# Altium PCB Control_v1.1.PcbDoc (part 2 of 2)
Units mil, origin at the board's own origin, x right, y up, seen from the top; angles counter-clockwise.
Board outline 2293.03 x 2083.97 mil, 2 copper layers (Top Layer, Bottom Layer); 102 components, 64 nets, 304 pads, 135 vias.
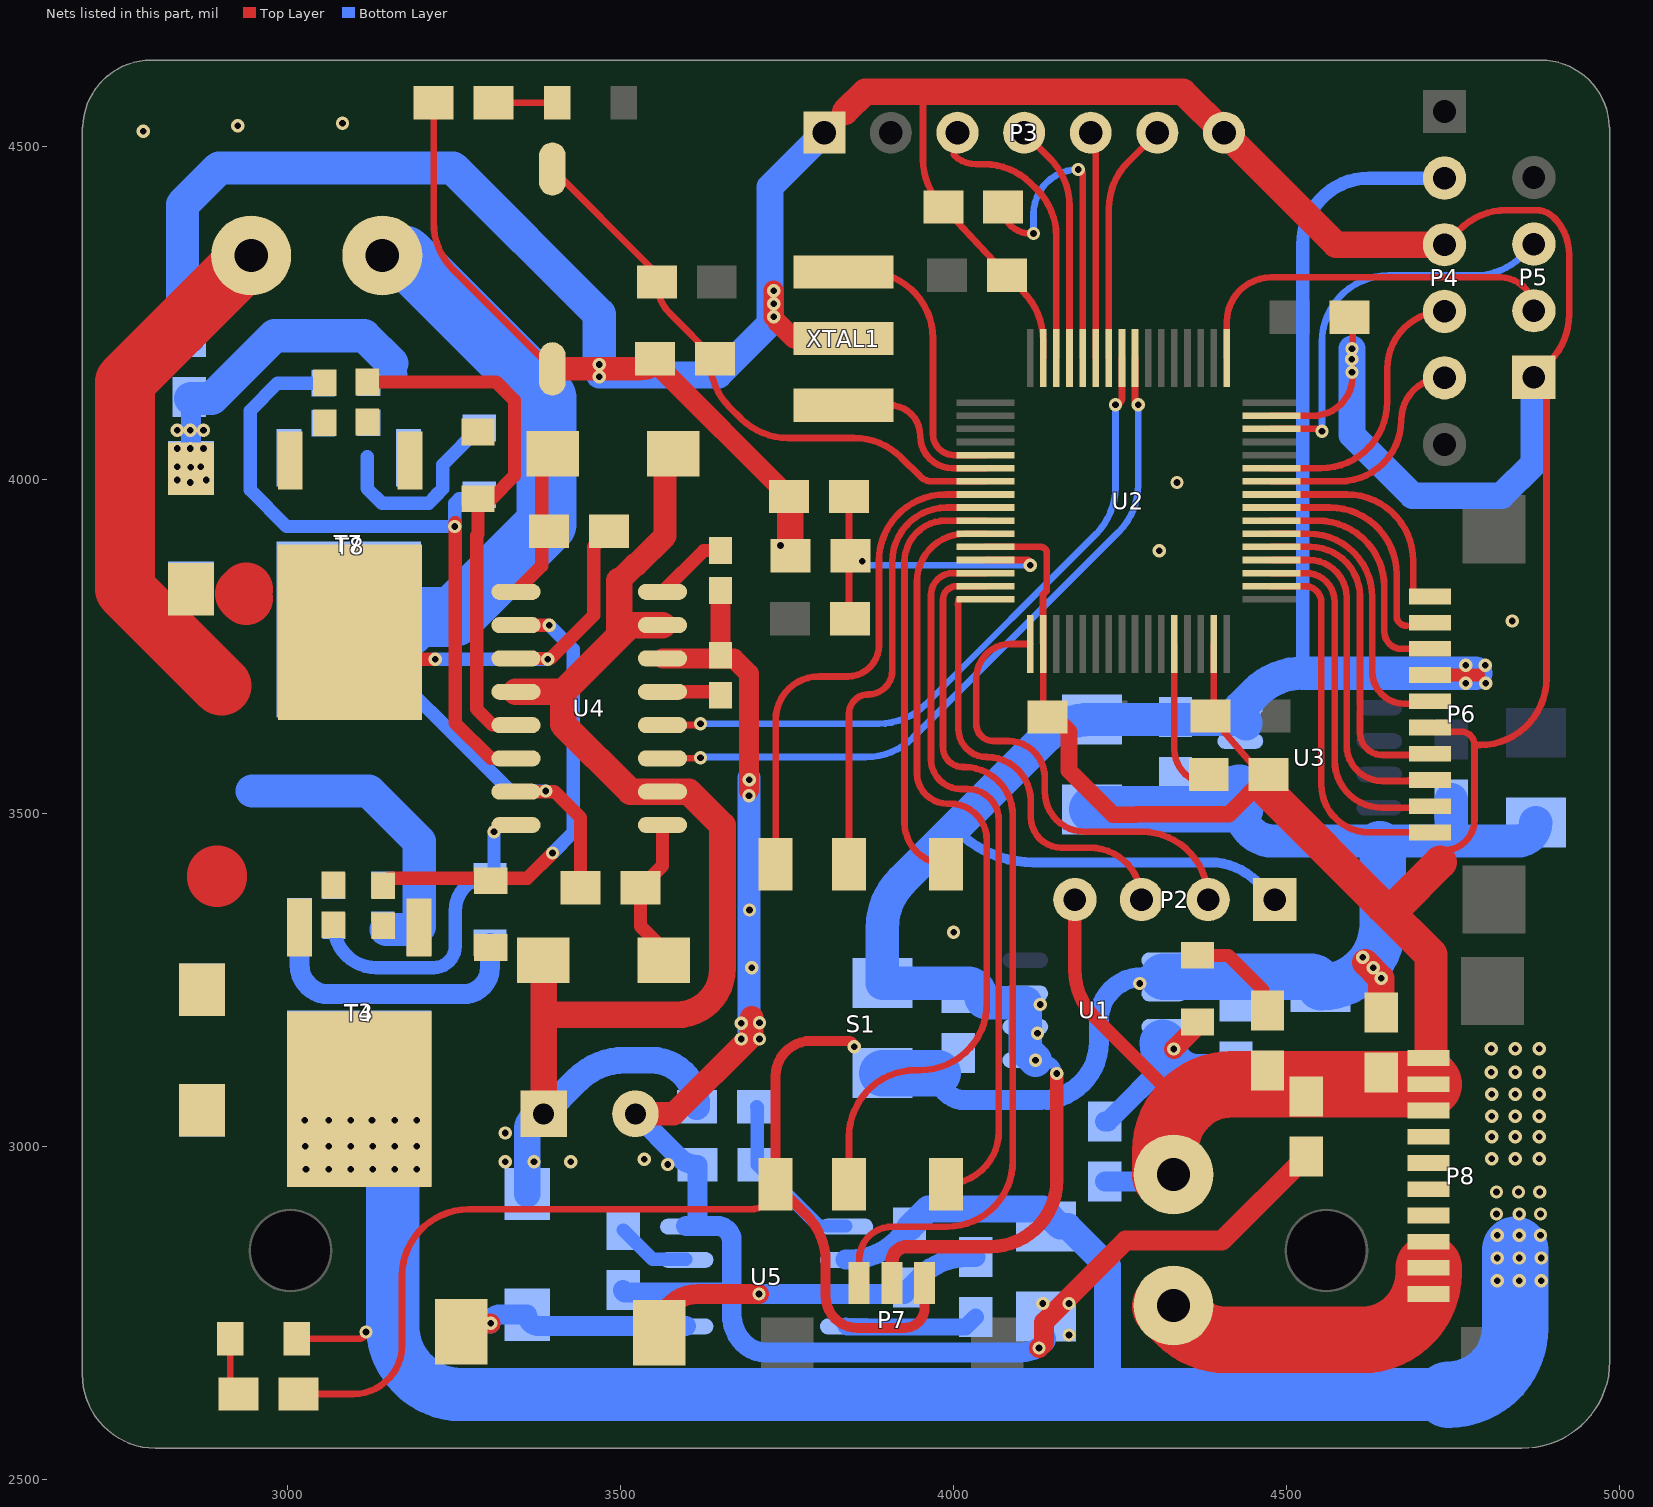
[diagram p2: the nets of this part, all layers, seen from the top]

## Via types
v1: diameter 20, hole 10, Top Layer to Bottom Layer, 133 vias
v2: diameter 35.43, hole 35.43, Top Layer to Bottom Layer, 2 vias

## Nets (pads, with @x,y where several pads share a name; then routed paths per layer and width w, separated by ;. In a path a pad name is that pad's centre, name@x,y a point inside that pad or via, vN(x,y) a via of type N, cw(c..) or ccw(c..) an arc to the next point about the centre after c; other vN are vias at no path point) (continued)
5V: C2.1 C4.2 C11.1 C13.2 P2.1 P4.2 P6.7 P7.2 U1.5 U1.6 U1.7 U3.3 U3.4 | length 3517.1
  Top Layer w15: P7.2@3907.46,2794.57 3907.46,2826.46
  Top Layer w20: 3907.46,2826.46 cw(c3930,2826.46) 3930,2849 4055,2849 ccw(c4055,2949) 4155,2949 v1(4155,3109) ; P6.7@4715.02,3707.05 4788.05,3707.05
  Bottom Layer w15: 4006,3473 ccw(c4119.47,3586.47) 4119.47,3426 4384.7,3426 cw(c4384.7,3326) 4455.41,3396.71 P2.1@4482.07,3370.05 ; v1(4123,3129) 4135,3129 cw(c4135,3109) v1(4155,3109)
  Bottom Layer w20: 4523.97,3710 4523.97,4353.07 cw(c4623.97,4353.07) 4623.97,4453.07 P4.2@4736.95,4453.07
  Bottom Layer w50: v1(4123,3129) 4107.67,3144.33 U1.6@4107.67,3179 4107.67,3215 4050,3215 cw(c4050,3224) 4041,3224 ccw(c4020.5,3224) 4020.5,3244.5 C2.1@3893,3244.5 3893,3327.58 cw(c3993,3327.58) 3922.29,3398.29 4135.21,3611.21 cw(c4205.92,3540.5) C11.1@4205.92,3640.5 ; C11.1@4208,3640.5 4432.5,3640.5 cw(c4432.5,3634) 4439,3634 ; U3.4@4430.48,3657.94 4453.25,3680.71 cw(c4523.97,3610) 4523.97,3710 4784,3710
  other v1: 4125.98,3169.29 4129.92,3212.6 4769,3695 4799,3695 4769,3722 4798,3722
12V: C16.1 D5.2 D6.1 D7.1 R15.2 U4.2 U4.7 U4.12 | length 2085.6
  Top Layer w35: 3498,3848.57 3521.93,3872.5 3523.56,3872.5 3566.93,3915.87 D7.1@3566.93,4023.62
  Top Layer w40: U4.12@3343,3682 3414,3682 ; D6.1@3384,3279 cw(c3382.56,3277.56) 3384.6,3277.56 3384.6,3197 ; C16.1@3384.6,3048.53 3384.6,3197 ; 3498,3848.57 3498,3769.72 3499.86,3767.86 ; U4.7@3563,3782 3514,3782 3499.86,3767.86 ; 3384.6,3197 3584,3197 ccw(c3584,3266) 3653,3266 3653,3481.36 3602.36,3532 U4.2@3563,3532 3515,3532 3414,3633 3414,3682 ; 3414,3682 3499.86,3767.86
  Bottom Layer w40: D5.2@3360,2928.1 3360,3023.93 cw(c3384.6,3023.93) C16.1@3384.6,3048.53 3435.78,3099.71 cw(c3506.49,3029) 3506.49,3129 3545.99,3129 cw(c3545.99,3061.38) 3593.81,3109.19 cw(c3543.82,3059.2) R15.2@3614.51,3059.2
  other v1: 3326.77,2976.38 3370.08,2976.38 3425.2,2976.38 3326.77,3019.68
AGND: C1.2 C2.2 C3.1 C4.1 C11.2 C12.2 C13.1 C14.1 P7.3 R16.2 R23.1 S1.6 U1.1 U1.2 U3.1 U3.2 | length 3659.7
  Top Layer w10: R23.1@3016.51,2627.8 3098.8,2627.8 ccw(c3098.8,2701) 3172,2701 3172,2805 cw(c3272,2805) 3272,2905 3694.9,2905 ccw(c3694.9,2942.94) S1.6@3732.85,2942.94
  Top Layer w15: v1(3851,3149) ccw(c3842,3149) 3842,3158 3786,3158 ccw(c3786,3104.85) 3732.85,3104.85 S1.6@3732.85,2942.94 3778.71,2897.08 cw(c3708,2826.37) 3808,2826.37 3808,2775 ccw(c3856,2775) 3856,2727 3926,2727 ccw(c3926,2757.67) 3956.67,2757.67 P7.3@3956.67,2794.57
  Top Layer w40: v1@4618.11,3275.59 v1(4641.8,3251.91) R16.2@4641.8,3200.49
  Bottom Layer w15: v1(3851,3149) v1@3853.5,3149
  Bottom Layer w30: 3976.5,3109.5 ccw(c4017,3109.5) 4017,3069 4131,3069 ccw(c4131,3156) 4218,3156 4218,3188 cw(c4284,3188) 4284,3254 4315,3254
  Bottom Layer w50: U3.1@4430.48,3507.94 ccw(c4480.42,3507.94) 4480.42,3458 4757,3458 ; C14.1@4747,3520 4747,3468 ccw(c4757,3468) 4757,3458 ; C12.2@4874,3485.5 cw(c4846.5,3485.5) 4846.5,3458 4757,3458
  Bottom Layer w70: C2.2@3893,3109.5 3976.5,3109.5 ; C11.2@4208,3505.5 4428.04,3505.5 ccw(c4428.04,3507.94) U3.1@4430.48,3507.94 4430.48,3535.52 ccw(c4428,3535.52) 4428,3538 ; 4315,3254 4535.5,3254 cw(c4535.5,3238.5) C1.2@4551,3238.5 ccw(c4551,3331.5) 4644,3331.5 4644,3448.13 ccw(c4639,3448.13) 4639,3453.13
  other v1: 4279.53,3244.09 4629.92,3267.72 4614.17,3283.46 4000,3321.18
AHB: C19.1 D7.2 U4.9 | length 228.1
  Top Layer w20: U4.9@3343,3832 3381.9,3870.9 D7.2@3381.9,4044
AHO: R2.1 T2.2 U4.10 | length 695.8
  Top Layer w20: R2.1@3144,3391 cw(c3155.05,3391) 3155.05,3402.05 3307,3402.05 3360.05,3402.05 v1(3398,3440) ; U4.10@3343,3782 v1(3393,3782)
  Bottom Layer w20: v1(3393,3782) 3429,3746 3429,3471 v1(3398,3440)
AHS: C19.2 D2.1 D4.2 P1.2 R4.1 T4.3 T8.2 U4.11 | length 1345.6
  Top Layer w20: T8.2@3134.35,3731 v1(3222,3731) ; U4.11@3343,3732 3395,3732 3460,3797 3460,3900 C19.2@3483,3923
  Top Layer w80: 2938,3822 2931,3829 2938,3836
  Top Layer w90: 2894,3404 2894,3406 ; 2901,3691 2755.91,3836.09 2755.91,4147.33 P1.2@2945.57,4337
  Bottom Layer w20: v1@3219,3731 v1(3222,3731) v1(3391,3731)
ALO: R7.1 T6.2 U4.13 | length 803.6
  Top Layer w15: T6.2@3284,3971.95 cw(c3285.05,3971.95) 3285.05,3973 T6.2@3286,3973
  Top Layer w20: R7.1@3120,4147 3313.16,4147 3340.78,4119.38 3340.78,4006.13 3306.6,3971.95 T6.2@3286,3971.95 ; T6.2@3284,3971.95 3286,3969.95 3286,3918.4 3284,3916.4 3284,3656 3308,3632 U4.13@3343,3632
BHB: C15.2 D6.2 U4.1 | length 239.3
  Top Layer w20: U4.1@3563,3482 3563,3421 C15.2@3530,3388 3530,3330.1 D6.2@3582.1,3278
BHO: R1.1 T1.2 U4.16 | length 441.4
  Bottom Layer w20: R1.1@3070,3331 ccw(c3133.08,3331) 3133.08,3267.92 3219.92,3267.92 ccw(c3219.92,3300) 3252,3300 3252,3353.05 cw(c3304,3353.05) T1.2@3304,3405.05 ccw(c3304,3411.05) 3310,3411.05 v1(3310,3472)
BHS: C15.1 D1.1 D3.2 P1.1 R3.1 T3.3 T7.2 U4.15 | length 1954.7
  Top Layer w20: U4.15@3343,3532 3401,3532 3440,3493 C15.1@3440,3388
  Bottom Layer w20: T7.2@3092,3775.35 3334.35,3533 v1(3388,3533)
  Bottom Layer w50: D1.1@2872,3235 D1.1@2872,3236.24 ; 2947,3533 3122,3533 3197.76,3457.24 T3.3@3197.76,3329.23 ; R3.1@3148.17,3325 T3.3@3190,3325
  Bottom Layer w90: T7.2@3092,3775.35 3174.26,3775.35 3192.9,3794 3249,3794 3389,3934 3389,4123 3175,4337 P1.1@3142.43,4337
BLO: R6.1 T5.2 U4.14 | length 1058.1
  Top Layer w20: v1@3252,3935.5 3252,3635 3305,3582 U4.14@3343,3582
  Bottom Layer w20: R6.1@3054,4145 2985,4145 2944,4104 2944,3985 2999,3930 v1(3251,3930) 3251,3965 3258,3972 T5.2@3282,3972
BOOT0: R20.1 U2.60 | length 489.3
  Top Layer w10: R20.1@4074.51,4409.8 ccw(c4114.31,4409.8) 4114.31,4370 v1(4120,4370) ; v1(4187,4466) cw(c4187,4459.33) 4193.67,4459.33 U2.60@4193.67,4182.93
  Bottom Layer w10: v1(4120,4370) 4120,4399 cw(c4187,4399) v1(4187,4466)
BOOT1: R21.2 U2.28 | length 238.1
  Top Layer w10: U2.28@4331.46,3753.8 4331.46,3595.84 ccw(c4382.51,3595.84) R21.2@4382.51,3544.8
GND: 1.2 C5.2 C6.2 C7.1 C8.1 C9.1 C10.1 C20.2 P2.4 P3.1 P3.7 P4.3 P5.1 P6.5 P8.8 P8.9 P8.10 P9.1 R16.1 R17.1 R18.1 R20.2 R21.1 R22.1 R24.1 U2.12 U2.18 U2.31 U2.47 U2.63 XTAL1.3 复位按键1.2 | length 9298.7
  Top Layer w10: R22.1@3219.49,4566.2 3219.49,4386.44 ccw(c3319.49,4386.44) 3248.78,4315.73 复位按键1.2@3397.8,4166.71 ; C5.2@3753,3975 3753,3890.83 ccw(c3759.83,3890.83) C6.2@3755,3886 ; P3.1@3805.88,4521.23 3837.36,4552.71 cw(c3908.07,4482) 3908.07,4582 3954,4582 3954,4481.73 ccw(c4054,4481.73) R20.2@3983.29,4411.02 ; R20.2@3984.51,4409.8 C10.1@4080,4307.2 ; U2.12@4048,3899.46 4130.54,3899.46 cw(c4130.54,3890) 4140,3890 4140,3833.82 4134.32,3828.13 U2.18@4134.32,3755.48 ; C10.1@4103.6,4283.6 cw(c4028.73,4208.73) 4134.61,4208.73 U2.63@4134.61,4182.93 ; U2.18@4134.61,3753.8 4134.61,3650.39 ccw(c4141,3650.39) C7.1@4141,3644 cw(c4141,3619) C7.1@4159.57,3635.74 ; U2.31@4390.52,3753.8 4390.52,3650.52 cw(c4385.52,3650.52) C8.1@4385.52,3645.52 4466.27,3552.02 R21.1@4466.7,3551.53 ; U2.47@4477.13,4096.31 4539.31,4096.31 ccw(c4539.31,4156) 4599,4156 4599,4239 ccw(c4594,4239) C9.1@4594,4244 ; P6.5@4715.02,3628.31 ccw(c4721.34,3628.31) 4721.34,3622 4762,3622 cw(c4762,3602) 4782,3602 ; 4735.98,3444 ccw(c4735.98,3490.02) 4782,3490.02 4782,3602 ; P4.3@4736.95,4353.07 4759.59,4375.71 cw(c4830.3,4305) 4830.3,4405 4874.44,4405 cw(c4874.44,4367.44) 4901,4394 cw(c4845.47,4338.47) 4924,4338.47 4924,4248.3 cw(c4824,4248.3) 4894.71,4177.59 P5.1@4871.05,4153.93 cw(c4871.05,4134.98) 4890,4134.98 4890,3702 cw(c4790,3702) 4790,3602 4782,3602
  Top Layer w20: P2.4@4182.07,3370.05 4182.07,3264.59 ccw(c4282.07,3264.59) 4211.36,3193.88 4344.56,3060.67
  Top Layer w25: C7.1@4159.57,3635.74 4173.23,3622.08 4173.23,3563.64 4239.37,3497.5 4273.6,3497.5 4274.21,3498.11 4413.27,3498.11 4466.7,3551.53 R21.1@4473.02,3557.85
  Top Layer w30: 1.2@3556,4178 3556,4172 C5.2@3753,3975 ; v1(3730,4244.75) v1(3730,4284.12) ; 3736,4236.45 3760.2,4212.24 XTAL1.3@3834.64,4212.24 ; C5.2@3755,3973 C5.2@3755,3975
  Top Layer w35: 复位按键1.2@3397.8,4166.71 3528.74,4166.71 ccw(c3528.74,4205.26) 1.2@3556,4178
  Top Layer w40: C6.2@3755,3886 C5.2@3755,3973 ; P3.1@3837.36,4552.71 3867.33,4582.68 4344.43,4582.68 P3.7@4405.88,4521.23 4574.04,4353.07 P4.3@4736.95,4353.07
  Top Layer w50: 4472.51,3531.43 4643.7,3360.24 ; P8.9@4713.02,3092.79 P8.10@4713.02,3132.16 4716.54,3135.68 4716.54,3287.4 4643.7,3360.24 ; 4730.76,3426.02 4664.97,3360.24 4643.7,3360.24
  Top Layer w100: P9.1@4318,2956.43 4318,2992.79 cw(c4418,2992.79) 4344.56,3060.67 cw(c4418,2992.79) 4418,3092.79 P8.9@4713.02,3092.79
  Bottom Layer w10: 3730,4229 v1(3730,4244.75) v1@3730,4246.4
  Bottom Layer w30: C20.2@4227,2947 P9.1@4319.57,2947
  Bottom Layer w40: v1@3468,4157.48 3647.3,4157.48 3724.41,4234.59 ; v1@3724.41,4246.4 3724.41,4439.76 P3.1@3805.88,4521.23 ; v1(4598,4197) 4598,4067.35 4688.98,3976.38 4822.83,3976.38 4871.05,4024.59 P5.1@4871.05,4153.93
  Bottom Layer w50: R17.1@2852.8,4214.51 2842.52,4224.79 2842.52,4413.39 2897.24,4468.1 3248.43,4468.1 3468,4248.54 v1(3468,4173.23)
  other v1: 4838.58,3788.12 4308.74,3893.7 3740.16,3901.57 4335.47,3996.06 3468,4155.13 4598,4161.42 4597.57,4181.25 3730,4264.43 2783.46,4523.62 2925.2,4531.5 3082.68,4535.43
IN_6V: P8.1 P8.2 P8.3 P9.2 | length 477
  Top Layer w100: P9.2@4318,2759.57 4339.28,2738.29 ccw(c4409.99,2809) 4409.99,2709 4613.02,2709 ccw(c4613.02,2809) 4713.02,2809 P8.2@4713.02,2817.2
K1: S1.1 U2.10 | length 646.3
  Top Layer w10: S1.1@3988.75,3423.26 cw(c3988.75,3485.65) 3926.36,3485.65 3926.36,3877 cw(c3988.2,3877) 3988.2,3938.83 U2.10@4048,3938.83
K2: S1.5 U2.11 | length 1231
  Top Layer w10: S1.5@3843.08,2942.94 3843.08,3014 cw(c3943.08,3014) 3943.08,3114 3950,3114 ccw(c3950,3214) 4050,3214 4050,3459 ccw(c3995,3459) 3995,3514 3991,3514 cw(c3991,3560) 3945,3560 3945,3847 cw(c4017.15,3847) 4017.15,3919.15 U2.11@4048,3919.15
K3: S1.4 U2.14 | length 1092.7
  Top Layer w10: S1.4@3988.75,2942.94 ccw(c3988.75,3022.19) 4068,3022.19 4068,3489 ccw(c4021,3489) 4021,3536 4011,3536 cw(c4011,3581) 3966,3581 3966,3827 cw(c3999.09,3827) 3999.09,3860.09 U2.14@4048,3860.09
K4: S1.2 U2.9 | length 677.3
  Top Layer w10: S1.2@3843.08,3423.26 3843.08,3649.08 cw(c3872,3649.08) 3872,3678 ccw(c3872,3714.01) 3908.01,3714.01 3908.01,3877 cw(c3989.53,3877) 3989.53,3958.52 U2.9@4048,3958.52
K5: S1.3 U2.8 | length 779
  Top Layer w10: S1.3@3732.85,3423.26 3732.85,3639.85 cw(c3798,3639.85) 3798,3705 3841,3705 ccw(c3841,3752) 3888,3752 3888,3878.21 cw(c3988,3878.21) 3988,3978.21 U2.8@4048,3978.21
M_6V: C18.1 D1.2 D2.2 LED2.1 P8.4 P8.5 R10.1 T3.2 T4.2 U5.6 | length 2997
  Top Layer w10: LED2.1@3014,2711 3108,2711 ccw(c3108,2721) v1(3118,2721)
  Bottom Layer w10: 3382,2623 cw(c3386,2623) 3386,2627
  Bottom Layer w30: U5.6@3838,2830 3844.86,2830 ccw(c3844.86,2930) 3915.57,2859.29 R10.1@3933.8,2877.51 ; 4231,2627 4231,2641.73
  Bottom Layer w40: R10.1@3933.8,2877.51 3961.8,2905.51 4133.86,2905.51 4159.87,2879.5 4171.68,2879.5 4231,2820.18 4231,2641.73
  Bottom Layer w80: T3.2@3158,2991 3158,2729.42 ccw(c3258,2729.42) 3187.29,2658.71 3189.71,2656.29 ccw(c3260.42,2727) 3260.42,2627 3386,2627 4231,2627 4743,2627
  Bottom Layer w100: T3.2@3124,3089 T3.2@3162,3051 ; 4743,2627 ccw(c4743,2727) 4843,2727 4843,2844
  other v1: 4816,2798 4849,2798 4882,2798 4816,2832 4849,2832 4882,2832 4816,2866 4849,2866 4881,2866 4815,2898 4849,2898 4881,2898 4815,2931 4848,2931 4880,2931 3028,2965 3062,2965 3095,2965 3128,2965 3161,2965 3194,2965 3027,3000 3062,3000 3095,3000 3128,3000 3161,3000 3194,3000 3026,3039 3062,3039 3095,3039 3127,3039 3161,3039 3194,3039
NetC5_1: C5.1 C6.1 R5.1 U2.13 | length 527.4
  Top Layer w10: C5.1@3843,3975 3843,3795.45 ccw(c3848.16,3795.45) R5.1@3844.51,3791.8 ; C6.1@3845,3886 ccw(c3860.02,3901.02) C6.1@3860.02,3879.78 ; U2.13@4048,3879.78 4111.22,3879.78 cw(c4111.22,3877) 4114,3877 4115,3876 v1(4115,3872)
  Bottom Layer w10: v1@3863,3877 3868,3872 v1(4115,3872)
  other v1: 3863,3878
NetC17_1: C17.1 U5.3 | length 112.2
  Bottom Layer w20: C17.1@3504,2874 3548,2830 U5.3@3598,2830
NetD5_1: D5.1 L1.2 U5.1 | length 361.5
  Top Layer w30: L1.2@3261,2721 cw(c3274,2721) 3274,2734 v1(3305,2734)
  Bottom Layer w30: v1(3305,2734) cw(c3318,2734) 3318,2747 D5.1@3360,2747 ccw(c3377,2747) 3377,2730 U5.1@3598,2730
NetL1_1: L1.1 R10.2 R11.2 U5.7 | length 526.2
  Top Layer w30: L1.1@3558,2720 cw(c3616,2720) 3616,2778 v1(3708,2778)
  Bottom Layer w30: v1(3708,2778) R10.2@3926.28,2778 ; R10.2@3926.28,2780 R10.2@3933.8,2787.51 3950.48,2804.2 cw(c4021.19,2733.49) 4021.19,2833.49 R11.2@4033.2,2833.49
NetLED1_2: LED1.2 R22.2 | length 95.7
  Top Layer w10: R22.2@3309.49,4566.2 3405,4566.2 LED1.2@3405,4566
NetLED2_2: LED2.2 R23.2 | length 90.3
  Top Layer w10: LED2.2@2914,2711 2914,2640.31 ccw(c2926.51,2640.31) R23.2@2926.51,2627.8
NetLED3_2: LED3.2 R24.2 | length 161.1
  Top Layer w20: LED3.2@4366.14,3286.22 4412.24,3286.22 4464.57,3233.89 R24.2@4464.57,3192.91
NetR1_2: R1.2 R3.2 T1.1 T3.1 | length 428.1
  Bottom Layer w30: T3.1@3018.24,3329.23 3018.24,3271.76 ccw(c3062,3271.76) 3062,3228 3264,3228 ccw(c3264,3268) 3304,3268 T1.1@3304,3305.05
NetR2_2: R2.2 R4.2 T2.1 T4.1
NetR6_2: R6.2 R8.2 T5.1 T7.1 | length 293.6
  Bottom Layer w20: 3120,4035 3120,3987 3142,3965 3212,3965 3223,3976 3223,3976.6 3233,3986.6 3233,4023 T5.1@3288,4078
NetR7_2: R7.2 R9.2 T6.1 T8.1
NetR11_1: R11.1 U5.8 | length 202.2
  Bottom Layer w25: U5.8@3838,2730 3839.65,2728.35 4018.06,2728.35 R11.1@4033.2,2743.49
NetR12_2: R12.2 U4.5 | length 89.1
  Top Layer w20: U4.5@3563,3682 3645,3682 R12.2@3650,3677
NetR13_2: R13.2 U4.8 | length 112.7
  Top Layer w20: U4.8@3563,3832 3625,3894 R13.2@3650,3894
NetR14_2: R14.2 R15.1 U5.5 | length 258.2
  Bottom Layer w20: R15.1@3704.51,3059.2 cw(c3702.15,3056.85) 3705.49,3056.85 R14.2@3705.49,2971.8 3797.28,2880 U5.5@3838,2880
NetU2_5: U2.5 XTAL1.2 | length 431.8
  Top Layer w10: XTAL1.2@3834.64,4312.24 3869,4312.24 cw(c3869,4212.24) 3969,4212.24 3969,4068.94 ccw(c4000.68,4068.94) 4000.68,4037.26 U2.5@4048,4037.26
NetU2_6: U2.6 XTAL1.1 | length 198.2
  Top Layer w10: XTAL1.1@3903.79,4112.24 cw(c3903.79,4066) 3950.03,4066 ccw(c3998.45,4066) 3998.45,4017.58 U2.6@4048,4017.58
OLED_D0: P3.3 U2.62 | length 435.9
  Top Layer w10: P3.3@4005.88,4521.23 ccw(c4020.08,4507.03) 4000,4507.03 4000,4488 ccw(c4033.8,4521.8) 4033.8,4474 4045.58,4474 cw(c4045.58,4374) 4116.29,4444.71 4125.01,4435.99 cw(c4054.3,4365.28) 4154.3,4365.28 U2.62@4154.3,4182.93
OLED_D1: P3.4 U2.61 | length 362.2
  Top Layer w10: P3.4@4105.88,4521.23 4144.7,4482.41 cw(c4073.98,4411.7) 4173.98,4411.7 U2.61@4173.98,4182.93
OLED_DC: P3.6 U2.58 | length 364.2
  Top Layer w10: U2.58@4233.04,4182.93 4233.04,4406.96 cw(c4333.04,4406.96) 4262.33,4477.68 P3.6@4305.88,4521.23
OLED_RES: P3.5 U2.59 | length 340.3
  Top Layer w10: P3.5@4205.88,4521.23 cw(c4187.84,4503.19) 4213.35,4503.19 U2.59@4213.35,4182.93
P_GND: D3.1 D4.1 R8.1 R9.1 R17.2 T7.3 T8.3 | length 480.9
  Bottom Layer w30: v1(2855,4019) R17.2@2855,4122.31 ; 3157,4175 3158.64,4173.36 cw(c3143.27,4158) 3165,4158
  Bottom Layer w50: R17.2@2855,4122.31 2886.31,4122.31 2980.54,4216.54 3115.46,4216.54 3157,4175
  other v1: 2854.33,3996.06 2834.65,4000 2877.95,4000 2834.65,4019.68 2870.08,4019.68 2834.65,4047.24 2854.33,4047.24 2874.02,4047.24 2834.65,4074.8 2854.33,4074.8 2874.02,4074.8
PWM1: U2.56 U4.3 | length 1092.2
  Top Layer w10: U4.3@3563,3582 3617.59,3582 ccw(c3617.59,3585.41) v1(3620,3583) ; U2.56@4272.41,4182.93 4272.41,4117.59 ccw(c4277,4117.59) v1(4277,4113)
  Bottom Layer w10: v1@3620,3584 3868.58,3584 ccw(c3868.58,3684) 3939.29,3613.29 4247.71,3921.71 ccw(c4177,3992.42) 4277,3992.42 v1(4277,4113)
PWM2: U2.57 U4.4 | length 1042.5
  Top Layer w10: U4.4@3563,3632 3615.17,3632 ccw(c3615.17,3638.83) v1(3620,3634) ; v1(4243,4113) ccw(c4243,4122.72) 4252.72,4122.72 U2.57@4252.72,4182.93
  Bottom Layer w10: v1(3620,3634) 3887.58,3634 ccw(c3887.58,3734) 3958.29,3663.29 4213.71,3918.71 ccw(c4143,3989.42) 4243,3989.42 v1(4243,4113)
RESET: 1.1 R19.1 U2.7 复位按键1.1 | length 880.7
  Top Layer w10: 复位按键1.1@3397.8,4466.71 3545.43,4319.07 cw(c3523.56,4297.2) R19.1@3554.49,4297.2 ccw(c3621.34,4297.2) 3574.07,4249.93 1.1@3642,4182 ; 1.1@3634.51,4179.91 ccw(c3734.51,4179.91) 3663.8,4109.2 3680.71,4092.29 ccw(c3751.42,4163) 3751.42,4063 3850.58,4063 cw(c3850.58,3963) 3921.29,4033.71 3949.33,4005.67 ccw(c3968.11,4024.45) 3968.11,3997.89 U2.7@4048,3997.89
RX_1: P6.1 U2.34 | length 571.9
  Top Layer w10: U2.34@4477.13,3840.41 4527.59,3840.41 cw(c4527.59,3816) 4552,3816 4552,3543 ccw(c4624,3543) 4624,3471 P6.1@4715.02,3471 ; P6.1@4711.19,3467 ccw(c4711.19,3470.83) P6.1@4715.02,3470.83
RX_2: P6.2 U2.35 | length 542.3
  Top Layer w10: U2.35@4477.13,3860.1 4528.9,3860.1 cw(c4528.9,3817) 4572,3817 4572,3579 ccw(c4643,3579) 4643,3508 4712.82,3508 ccw(c4712.82,3510.2) P6.2@4715.02,3510.2
RX_3: P6.3 U2.36 | length 522.9
  Top Layer w10: U2.36@4477.13,3879.78 4533.61,3879.78 cw(c4533.61,3823.39) 4590,3823.39 4590,3602 ccw(c4644,3602) 4644,3548 4682,3548 ccw(c4682,3549) 4683,3549 P6.3@4715.02,3549
RX_4: P6.4 U2.37 | length 514
  Top Layer w10: U2.37@4477.13,3899.46 4535.54,3899.46 cw(c4535.54,3825) 4610,3825 4610,3621 ccw(c4644,3621) 4644,3587 P6.4@4716,3587 ; P6.4@4711.08,3585 ccw(c4711.08,3588.94) P6.4@4715.02,3588.94 cw(c4713.08,3588.94) P6.4@4713.08,3587
RX_5: P6.6 U2.38 | length 440.8
  Top Layer w10: U2.38@4477.13,3919.15 4533.2,3919.15 cw(c4533.2,3824) 4628.35,3824 4628.35,3712.65 ccw(c4677,3712.65) 4677,3664 4711.34,3664 ccw(c4711.34,3667.68) P6.6@4715.02,3667.68 cw(c4710.34,3667.68) P6.6@4710.34,3663
RX_6: P6.8 U2.39 | length 383.4
  Top Layer w10: U2.39@4477.13,3938.83 4546.71,3938.83 cw(c4546.71,3838.83) 4646.71,3838.83 4646.71,3772 ccw(c4672.28,3772) 4672.28,3746.42 P6.8@4715.02,3746.42 cw(c4710.6,3746.42) P6.8@4710.6,3742
RX_7: P6.9 U2.40 | length 331
  Top Layer w10: U2.40@4477.13,3958.52 4565,3958.52 cw(c4565,3858.52) 4665,3858.52 4665,3796 ccw(c4680,3796) 4680,3781
RX_8: P6.10 U2.41 | length 320.2
  Top Layer w10: U2.41@4477.13,3978.21 4590,3978.21 cw(c4590,3878.21) 4690,3878.21 P6.10@4690,3828
S_GND: C16.2 C17.2 C18.2 R12.1 R13.1 R14.1 R18.2 U4.6 U5.2 U5.4 | length 2714.8
  Top Layer w20: R12.1@3650,3737 cw(c3650,3694) 3670.12,3732
  Top Layer w30: C16.2@3522.39,3048.53 C16.2@3522.39,3053 ; U4.6@3563,3732 3670.12,3732 ; R12.1@3650,3737 R13.1@3650,3834 ; 3670.14,3732 3693,3709.14 v1@3693,3534 ; v1(4128.13,2697) 4136.06,2704.94 4136.06,2736.06 4258,2858 4402.69,2858 R18.2@4529.2,2984.51
  Top Layer w35: C16.2@3522.39,3048.53 3580.02,3048.53 3696.85,3165.35 3696.85,3192.91
  Bottom Layer w30: C17.2@3504,2784 ccw(c3508,2784) 3508,2780 3668,2780 ; C16.2@3538.76,3048.53 C16.2@3522.39,3048.53 3587.56,2983.37 ccw(c3615.49,3011.3) R14.1@3615.49,2971.8 U5.4@3615.49,2883 ; U5.4@3598,2880 3645,2880 cw(c3645,2858) 3667,2858 3667,2747.46 ccw(c3728.46,2747.46) 3685,2704 ccw(c3717.62,2736.62) 3717.62,2690.49 4100.97,2690.49 ccw(c4100.97,2740.03) 4136,2705 ccw(c4128.76,2712.24) C18.2@4139,2712.24
  Bottom Layer w35: 3693,3165.35 v1@3693,3552.79
  other v1: 4173.23,2716.54 4133.86,2763.78 4173.23,2763.78 3570.87,2972.44 3535.43,2980.32 3681.19,3160.87 3708.75,3160.87 3681.19,3184.5 3708.66,3185.04 3696.85,3267.72 3693.74,3354.33 3693,3526.13 3693,3526.13 3693.09,3549.75
SEVOR: P7.1 U2.15 | length 1328.8
  Top Layer w10: P7.1@3858.24,2794.57 3858.24,2829.24 cw(c3908,2829.24) 3908,2879 3990,2879 ccw(c3990,2978) 4089,2978 4089,3496 ccw(c4016,3496) 4016,3569 4014,3569 cw(c4014,3599) 3984,3599 3984,3820 cw(c4004.41,3820) 4004.41,3840.41 U2.15@4048,3840.41
SWCLK: P5.2 U2.49 | length 581.8
  Top Layer w10: U2.49@4410.2,4182.93 4410.2,4237.2 cw(c4477,4237.2) 4477,4304 4820.98,4304 cw(c4820.98,4253.93) P5.2@4871.05,4253.93
SWDIO: P5.3 U2.46 | length 601.2
  Top Layer w10: U2.46@4477.13,4076.63 4549.37,4076.63 cw(c4549.37,4073) v1(4553,4073)
  Bottom Layer w10: v1(4553,4073) 4553,4207 cw(c4653,4207) 4653,4307 ; 4654,4307 4782.7,4307 ccw(c4782.7,4407) 4853.41,4336.29 P5.3@4871.05,4353.93
USART1_RX: P4.4 U2.43 | length 415.5
  Top Layer w10: U2.43@4477.13,4017.58 4551,4017.58 ccw(c4551,4117.58) 4651,4117.58 4651,4167.12 cw(c4736.95,4167.12) P4.4@4736.95,4253.07
USART1_TX: P4.5 U2.42 | length 348.5
  Top Layer w10: U2.42@4477.13,3997.89 4579.89,3997.89 ccw(c4579.89,4090) 4672,4090 cw(c4735.27,4090) 4735.27,4153.27 P4.5@4736.95,4153.27
USART2_RX: P2.2 U2.17 | length 685.1
  Top Layer w10: U2.17@4114.93,3753.8 4085.8,3753.8 ccw(c4085.8,3702) 4034,3702 4034,3634 ccw(c4060,3634) 4060,3608 4082,3608 cw(c4082,3553) 4137,3553 4137,3532 ccw(c4197,3532) 4197,3472 4282.07,3472 cw(c4282.07,3372) P2.2@4382.07,3372
USART2_TX: P2.3 U2.16 | length 626.6
  Top Layer w10: 4006,3813 cw(c4006,3812) 4007,3812 ; U2.16@4007,3820 4007,3627 ccw(c4050,3627) 4050,3584 cw(c4050,3518) 4116,3518 4116,3494 ccw(c4162,3494) 4162,3448 4204.12,3448 cw(c4204.12,3370.05) P2.3@4282.07,3370.05
VCC: C1.1 C3.2 C20.1 LED3.1 P8.6 P8.7 U1.3 U1.4 | length 655.2
  Top Layer w30: v1(4330.71,3145.67) LED3.1@4366.14,3181.1
  Bottom Layer w10: 4474,3127.5 4496,3105.5 ccw(c4498,3105.5) 4498,3103.5
  Bottom Layer w30: C20.1@4227,3037 4231.66,3037 U1.4@4322.04,3127.37
  Bottom Layer w70: 4314,3155 ccw(c4365.5,3155) 4322.04,3127.37 ccw(c4365.5,3155) 4365.5,3103.5 4498,3103.5 C1.1@4551,3103.5 4717.5,3103.5 ccw(c4717.5,3107) 4721,3107
  other v1: 4808,2981 4843,2981 4879,2981 4808,3014 4843,3014 4879,3014 4808,3045 4843,3045 4879,3045 4808,3078 4843,3078 4879,3078 4807,3111 4843,3111 4879,3111 4807,3146 4843,3146 4879,3146
pads on no net: Designator1.0 P4.1 P4.6 P6.0 P7.0 P8.0 U1.8 U2.1 U2.2 U2.3 U2.4 U2.20 U2.21 U2.22 U2.23 U2.24 U2.25 U2.26 U2.27 U2.29 U2.30 U2.33 U2.44 U2.45 U2.50 U2.51 U2.52 U2.53 U2.54 U2.55 U3.8
copper on no net:
  other v2: 3774.19,3096.49 3774.19,3269.71

## Polygon pours and split planes (outlines as drawn)
GND on Bottom Layer "Bottom Layer-No Net" (hatched 45Degree grid 20 track 8, remove dead copper, pour order 14): 2677.17,4744.09 4956.69,4744.09 4970.39,4744.09 cw(c4970.39,4644.09) 5041.1,4714.81 5090.55,4665.35 ccw(c5119.07,4636.84) 5078.74,4636.84 5078.74,2523.62 5045.36,2523.62 ccw(c5045.36,2423.62) 4974.65,2494.33 4917.32,2437.01 ccw(c4879.3,2398.99) 4879.3,2452.76 2708.66,2452.76 2708.66,2458.58 ccw(c2608.66,2458.58) 2679.37,2529.29 2562.99,2645.67
AGND on Bottom Layer "Bottom Layer-No Net" (hatched 45Degree grid 20 track 8, remove dead copper, pour order 10): 3889.76,3492.13 3986.46,3588.82 cw(c4057.17,3518.11) 4057.17,3618.11 4732.28,3618.11 4832.59,3618.11 cw(c4832.59,3518.11) 4903.31,3588.82 4956.69,3535.43 cw(c4937.68,3516.42) 4964.57,3516.42 4964.57,3322.83 4964.57,3289.45 cw(c4864.57,3289.45) 4935.28,3218.74 4767.72,3051.18 4580.47,2863.93 cw(c4509.76,2934.65) 4509.76,2834.65 3755.59,2834.65 cw(c3755.59,2902.93) 3707.31,2854.65 3652.5,2909.45 cw(c3678.5,2935.45) 3641.73,2935.45 3641.73,3415.46
S_GND on Bottom Layer "Bottom Layer-No Net" (hatched 45Degree grid 20 track 8, remove dead copper, pour order 4): 3582.68,3870.08 3708.66,3870.08 cw(c3708.66,3813.05) 3748.99,3853.38 3755.91,3846.46 cw(c3717.89,3808.44) 3771.65,3808.44 3771.65,3584 3771.65,2844.15 cw(c3758.21,2844.15) 3767.72,2834.65 3817.17,2785.19 ccw(c3887.88,2855.91) 3887.88,2755.91 3893.7,2755.91 4006.67,2755.91 ccw(c4006.67,2855.91) 4077.38,2785.19 4171.68,2879.5 4176.28,2884.1 cw(c4246.99,2813.39) 4246.99,2913.39 4314.96,2913.39 4340.47,2913.39 ccw(c4340.47,3013.39) 4411.18,2942.68 4468.5,3000 4478.58,3010.08 cw(c4549.3,2939.37) 4549.3,3039.37 4555.12,3039.37 4577.78,3039.37 cw(c4577.78,2999.04) 4606.3,3027.56 cw(c4596.79,3018.05) 4610.24,3018.05 4610.24,2929.13 cw(c4600.73,2929.13) 4607.45,2922.41 4578.74,2893.7 4348.19,2663.15 cw(c4277.48,2733.86) 4277.48,2633.86 3539.37,2633.86 3505.99,2633.86 cw(c3505.99,2733.86) 3435.28,2663.15 3425.2,2673.23 3407.24,2691.18 cw(c3477.95,2761.89) 3377.95,2761.89 3377.95,3122.05 cw(c3434.98,3065.02) 3434.98,3145.67 3535.43,3145.67 ccw(c3535.43,3231.21) 3595.92,3170.72 3633.86,3208.66 ccw(c3614.85,3227.67) 3641.73,3227.67 3641.73,3393.7 3641.73,3596.37 ccw(c3541.73,3596.37) 3612.44,3667.08 3598.43,3681.1 ccw(c3550.9,3633.58) 3550.9,3700.79 3500,3700.79 3500,3756.58 ccw(c3473.12,3756.58) 3492.13,3775.59
P_GND on Bottom Layer "Bottom Layer-No Net" (hatched 45Degree grid 20 track 8, remove dead copper, pour order 0): 2897.64,4437.01 3177.17,4437.01 3194.8,4437.01 cw(c3194.8,4337.01) 3265.51,4407.72 3283.46,4389.76 cw(c3216.93,4323.23) 3311.02,4323.23 3311.02,4055.12 3311.02,4041.42 cw(c3211.02,4041.42) 3281.73,3970.71 3275.59,3964.57 3270.31,3959.29 cw(c3199.6,4030) 3199.6,3930 3110.24,3930 2914.57,3930 cw(c2914.57,4030) 2843.86,3959.29 2842.52,3960.63 2816.39,3986.76 cw(c2876.88,4047.24) 2791.34,4047.24 2791.34,4289.29 cw(c2891.34,4289.29) 2820.63,4360 2834.65,4374.02 2897.64,4437.01
GND on Top Layer "Bottom Layer-No Net" (hatched 45Degree grid 20 track 8, remove dead copper, pour order 12): 2771.65,4625.98 4868.03,4625.98 cw(c4868.03,4525.98) 4938.74,4596.69 4992.13,4543.31 ccw(c5011.14,4524.3) 4984.25,4524.3 4984.25,3031.5 4984.25,2643.78 cw(c4884.25,2643.78) 4954.96,2573.07 4889.76,2507.87 ccw(c4880.26,2498.37) 4880.26,2511.81 2811.02,2511.81 2781.58,2511.81 cw(c2781.58,2611.81) 2710.87,2541.1 2653.54,2598.43 cw(c2720.08,2664.96) 2625.98,2664.96 2625.98,4562.99 ccw(c2625.98,4639.03) 2679.75,4585.26 2728.35,4633.86
AGND on Top Layer "Bottom Layer-No Net" (hatched 45Degree grid 20 track 8, remove dead copper, pour order 8): 4133.86,3594.49 4824.72,3594.49 cw(c4824.72,3494.49) 4895.43,3565.2 4964.57,3496.06 cw(c4945.56,3477.05) 4972.44,3477.05 4972.44,3259.84 cw(c4886.9,3259.84) 4947.39,3199.35 4476.38,2728.35 4348.19,2600.16 cw(c4277.48,2670.87) 4277.48,2570.87 3047.24,2570.87 2994.18,2570.87 cw(c2994.18,2670.87) 2923.47,2600.16 2893.7,2629.92 cw(c2941.22,2677.45) 2874.02,2677.45 2874.02,2877.95 2874.02,2923.15 cw(c2974.02,2923.15) 2903.3,2993.86 2929.13,3019.68
S_GND on Top Layer "Bottom Layer-No Net" (hatched 45Degree grid 20 track 8, remove dead copper, pour order 6): 3688.98,3566.93 3771.65,3566.93 3771.65,2931.19 ccw(c3871.65,2931.19) 3800.94,2860.47 3842.52,2818.9 3876.22,2785.19 ccw(c3946.93,2855.91) 3946.93,2755.91 3988.19,2755.91 4049.13,2755.91 ccw(c4049.13,2855.91) 4119.84,2785.19 4204.72,2870.08 cw(c4261.75,2813.05) 4261.75,2893.7 4385.83,2893.7 cw(c4395.33,2893.7) 4388.61,2900.42 4492.13,3003.94 cw(c4549.15,2946.91) 4549.15,3027.56 4574.8,3027.56 cw(c4574.8,2980.04) 4608.41,3013.64 4645.67,2976.38 cw(c4636.16,2966.87) 4649.61,2966.87 4649.61,2881.89 cw(c4592.58,2881.89) 4632.9,2841.56 4539.37,2748.03 cw(c4520.36,2767.04) 4520.36,2740.16 3437.01,2740.16 cw(c3437.01,2816.2) 3383.24,2762.43 3370.08,2775.59 cw(c3379.58,2785.1) 3366.14,2785.1 3366.14,2897.64 3366.14,3021.57 cw(c3466.14,3021.57) 3395.43,3092.28 3452.76,3149.61 cw(c3490.77,3111.59) 3490.77,3165.35 3555.12,3165.35 ccw(c3555.12,3250.9) 3615.61,3190.41 3665.35,3240.16 3665.35,3574.8 3665.35,3638.19 ccw(c3571.26,3638.19) 3637.8,3704.72 ccw(c3609.28,3676.21) 3609.28,3716.54 3515.75,3716.54 3515.75,3764.18 ccw(c3421.66,3764.18) 3488.19,3830.71 3502.21,3844.73 cw(c3572.92,3774.02) 3572.92,3874.02 3657.48,3874.02 cw(c3657.48,3788.47) 3717.97,3848.96 3748.03,3818.9 cw(c3719.52,3790.38) 3759.84,3790.38 3759.84,3562.99
P_GND on Top Layer "Bottom Layer-No Net" (hatched 45Degree grid 20 track 8, remove dead copper, pour order 2): 2913.39,4433.07 3219.52,4433.07 cw(c3219.52,4392.75) 3248.03,4421.26 3295.47,4373.82 cw(c3248.43,4326.77) 3314.96,4326.77 3314.96,4098.03 cw(c3220.87,4098.03) 3287.4,4031.5 3210.39,3954.49 cw(c3139.68,4025.2) 3139.68,3925.2 2952.76,3925.2 2919.37,3925.2 cw(c2919.37,4025.2) 2848.66,3954.49 2795.28,4007.87 cw(c2804.78,4017.38) 2791.34,4017.38 2791.34,4259.84 2791.34,4295.67 cw(c2885.43,4295.67) 2818.9,4362.2

## Keep-outs
Keep-Out Layer:
  lines w10: 2697,4527.56 2697,2657.48 ccw(c2803.15,2657.48) 2803.15,2551.33 ; 2697.83,4527.56 cw(c2795.28,4527.56) 2795.28,4625 4881.89,4625 cw(c4881.89,4527.56) 4979.33,4527.56 ; 2803.15,2551.06 4850.41,2551.06 ; 4850.42,2551.56 ccw(c4854.33,2677.17) 4980,2677.17 4980,4527.56

## Other copper
Top Layer:
  rectangle net S_GND: 4118.11,2685.04 4188.98,2783.46
  rectangle net S_GND: 3503.94,2948.82 3614.17,3039.37
  rectangle net 5V: 4106.3,3106.3 4165.35,3232.28
  rectangle net 12V: 3299.21,2944.88 3448.82,3106.3
  rectangle net NetR7_2: 3040,4026 3314,4107
  rectangle net S_GND: 3673.23,3511.81 3712.6,3566.93
  rectangle net S_GND: 3665.35,3145.67 3724.41,3208.66
  rectangle net AGND: 4574.8,3236.22 4653.54,3299.21
  rectangle net GND: 4578.74,4129.92 4618.11,4216.54
  rectangle net P_GND: 2818.9,4043.31 2889.76,4094.49
  rectangle net NetR2_2: 3053,3276 3335,3353
  rectangle net M_6V: 2819,2941 3208,3146
  rectangle net AHS: 2830,3637 3029,3900
  rectangle net P_GND: 2967,4122 3075,4178
  region net P_GND: 3023,4042 3023,4133 2967,4133 2967,4042
  rectangle net AHS: 2832,3197 2975,3646
  rectangle net VCC: 4679,2963 4899,3027
  rectangle net M_6V: 4681,2883 4898,2947
  rectangle net M_6V: 4786,2787 4898,2892
  rectangle net VCC: 4780,3017 4899,3164
  rectangle net 5V: 4758,3685 4811,3735
  rectangle net P_GND: 2825,3977 3025,4055
  rectangle net AHS: 2960,3372 3087,3413
  rectangle net AHS: 3000,3360 3037,3390
Bottom Layer:
  rectangle net S_GND: 3551.18,2948.82 3645.67,2992.13
  rectangle net S_GND: 3503.94,2952.76 3562.99,3027.56
  rectangle net 5V: 4106.3,3106.3 4165.35,3232.28
  rectangle net 12V: 3299.21,2944.88 3452.76,3106.3
  rectangle net NetR6_2: 2983,4026 3139,4110
  rectangle net P_GND: 3106,4125 3208,4203
  rectangle net S_GND: 3673.23,3511.81 3712.6,3566.93
  rectangle net S_GND: 3665.35,3145.67 3724.41,3208.66
  rectangle net AGND: 4574.8,3240.16 4657.48,3299.21
  rectangle net GND: 4578.74,4149.61 4618.11,4216.54
  rectangle net P_GND: 2818.9,4047.24 2889.76,4094.49
  rectangle net NetR1_2: 2997,3363 3156,3434
  rectangle net M_6V: 2816,2941 3207,3145
  rectangle net BHS: 2827,3642 3042,3904
  region net P_GND: 3208,4059 3208,4130 3163,4130 3163,4059
  rectangle net BHS: 2828,3194 2973,3667
  rectangle net M_6V: 4680,2883 4898,2948
  rectangle net M_6V: 4786,2792 4898,2892
  rectangle net VCC: 4679,2963 4899,3027
  rectangle net VCC: 4678,3023 4899,3164
  rectangle net 5V: 4779,3685 4811,3735

## Silkscreen, mask and mechanical layers (free items; w line width, h text height)
Top Overlay:
  text "MOTOR" at 2830.71,4519.69 h60
  text "DIO" at 4968.5,4314.96 h45 r90
  text "CLK" at 4968.5,4212.6 h45 r90
  text "INFRARED" at 4681.1,3712.6 h60 r90
  text "TX" at 4259.84,3263.78 h45
  text "RX" at 4358.27,3263.78 h45
  text "A1" at 3834.65,2834.65 h45
  text "POWER" at 4700.79,2570.87 h60

## Text inside footprints (layer, text, board x,y; h text height)
Designator6: Top Overlay "3V3" at 4976.38,4425.2 h40 r90
Designator7: Top Overlay "3V3" at 3472.44,4484.25 h40
Designator8: Top Overlay "M_6V" at 3094.49,2669.29 h40 r90
Designator11: Top Overlay "5V" at 4847.02,4516.37 h40 r90
Designator12: Top Overlay "IN_6V" at 4488.19,2712.6 h40 r90
Designator15: Bottom Overlay "M_6V" at 4956.69,2952.76 h40 r90
Designator16: Bottom Overlay "IN_6V" at 4960.63,2854.33 h40 r90
Designator18: Top Overlay "5V" at 4445.5,3259.28 h40
Designator22: Top Overlay "3V3" at 3874.02,4433.07 h40
Designator26: Top Overlay "5V" at 4621.48,3727.72 h40 r270
Designator27: Top Overlay "VCC" at 4429.13,3224.41 h40 r270
LOGO1: Top Solder "协" at 4472.42,4020.35 h30; Top Solder "电" at 4509.42,4020.35 h30; Top Solder "大" at 4436.42,4055.35 h30; Top Solder "集" at 4541.42,4055.35 h30; Bottom Overlay "集" at 4541.42,4055.35 h30; Bottom Overlay "大" at 4436.42,4055.35 h30; Bottom Overlay "电" at 4509.42,4020.35 h30; Bottom Overlay "协" at 4472.42,4020.35 h30
P1: Top Overlay "V" at 2965.26,4455.11 h50 r180; Top Overlay "V" at 3162.11,4455.11 h50 r180
P9: Top Overlay "V" at 4211.89,2780.26 h50 r270; Top Overlay "V" at 4211.89,2977.11 h50 r270